# Altium PCB base-32-bit.PcbDoc (part 2 of 3)
Units mm, origin at the board's own origin, x right, y up, seen from the top; angles counter-clockwise.
Board outline 35.56 x 44.45 mm, 4 copper layers (Top Layer, GND, PWR, Bottom Layer), stack 0.603 mm thick; 71 components, 133 nets, 539 pads, 361 vias.
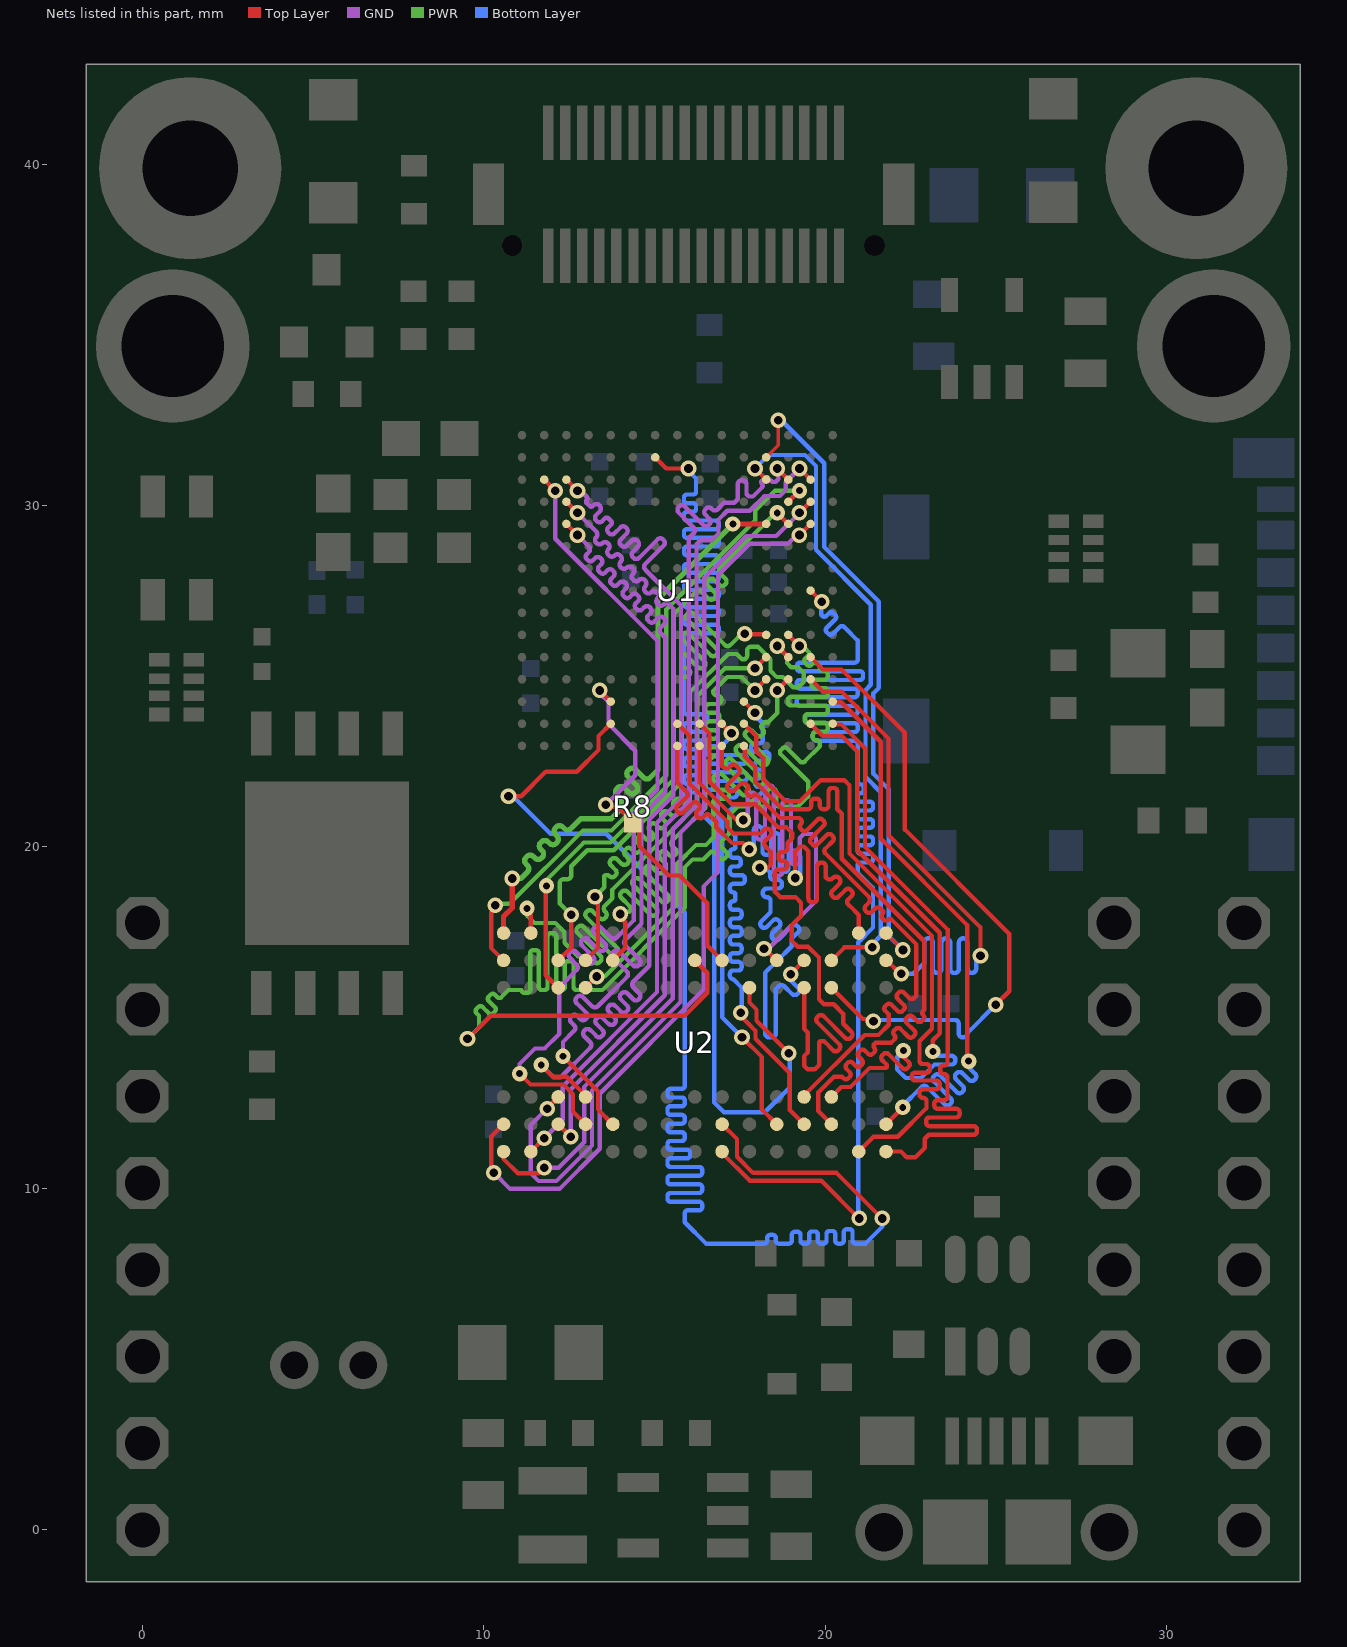
[diagram p4: the nets of this part, all layers, seen from the top]

## Via types
v1: diameter 0.457, hole 0.254, Top Layer to Bottom Layer, tented both sides, 295 vias
v2: diameter 0.457, hole 0.254, Top Layer to Bottom Layer, 36 vias
v3: diameter 0.457/0.457/0.457/0.457 (per signal layer), hole 0.254, Top Layer to Bottom Layer, tented both sides, 16 vias
v4: diameter 0.45, hole 0.203, Top Layer to Bottom Layer, tented both sides, 14 vias

## Nets (pads, with @x,y where several pads share a name; then routed paths per layer and width w, separated by ;. In a path a pad name is that pad's centre, name@x,y a point inside that pad or via, vN(x,y) a via of type N, cw(c..) or ccw(c..) an arc to the next point about the centre after c; other vN are vias at no path point) (continued)
DRAM_BA1: U1.K13 U2.H8 | length 44.8
  Top Layer w0.127: v1(9.518,14.38) 10.196,15.058 15.868,15.058 16.539,15.729 16.539,16.315 U2.H8@16.174,16.68 ; U1.K13@18.913,26.21 v1(19.238,25.885)
  PWR w0.127: v1(9.518,14.38) 9.855,14.717 9.855,15.059 9.78,15.134 cw(c9.842,15.197) 9.78,15.26 9.833,15.314 cw(c9.896,15.251) 9.959,15.314 10.143,15.13 ccw(c10.206,15.193) 10.268,15.13 10.322,15.184 ccw(c10.259,15.247) 10.322,15.31 10.139,15.493 cw(c10.202,15.556) 10.139,15.619 10.193,15.673 cw(c10.256,15.61) 10.318,15.673 10.386,15.605 ccw(c10.449,15.668) 10.512,15.605 10.719,15.811 11.1,15.811 ccw(c11.183,15.811) 11.183,15.728 11.27,15.728 ccw(c11.27,15.811) 11.354,15.811 11.354,16.891 cw(c11.443,16.891) 11.443,16.98 11.519,16.98 cw(c11.519,16.891) 11.608,16.891 11.608,15.9 ccw(c11.697,15.9) 11.697,15.811 11.773,15.811 ccw(c11.773,15.9) 11.862,15.9 11.862,17.387 cw(c11.951,17.387) 11.951,17.476 12.027,17.476 cw(c12.027,17.387) 12.116,17.387 12.116,15.9 ccw(c12.205,15.9) 12.205,15.811 12.281,15.811 ccw(c12.281,15.9) 12.37,15.9 12.37,16.569 cw(c12.459,16.569) 12.459,16.658 12.535,16.658 cw(c12.535,16.569) 12.624,16.569 12.624,15.9 ccw(c12.713,15.9) 12.713,15.811 13.468,15.811 15.875,18.219 15.875,19.4 16.109,19.634 16.421,19.634 16.628,19.841 cw(c16.691,19.778) 16.753,19.841 16.927,19.667 ccw(c16.99,19.73) 17.052,19.667 17.106,19.721 ccw(c17.043,19.784) 17.106,19.847 16.933,20.02 cw(c16.996,20.083) 16.933,20.146 17.183,20.396 17.183,20.934 17.433,21.184 17.709,21.184 ccw(c17.709,21.268) 17.793,21.268 cw(c17.882,21.268) 17.882,21.357 17.958,21.357 cw(c17.958,21.268) 18.047,21.268 ccw(c18.131,21.268) 18.131,21.184 18.212,21.184 ccw(c18.212,21.273) 18.301,21.273 18.301,21.615 cw(c18.39,21.615) 18.39,21.704 18.466,21.704 cw(c18.466,21.615) 18.555,21.615 18.555,21.273 ccw(c18.644,21.273) 18.644,21.184 19.19,21.184 19.482,21.476 19.494,21.476 19.494,21.911 18.694,22.712 cw(c18.757,22.774) 18.694,22.837 18.748,22.891 cw(c18.811,22.828) 18.874,22.891 19.264,22.501 ccw(c19.327,22.564) 19.39,22.501 19.837,22.949 19.837,23.038 ccw(c19.748,23.038) 19.748,23.127 19.721,23.127 cw(c19.721,23.216) 19.632,23.216 19.632,23.292 cw(c19.721,23.292) 19.721,23.381 19.977,23.381 ccw(c19.977,23.47) 20.066,23.47 20.066,23.546 ccw(c19.977,23.546) 19.977,23.635 19.482,23.635 cw(c19.482,23.724) 19.393,23.724 19.393,23.8 cw(c19.482,23.8) 19.482,23.889 19.977,23.889 ccw(c19.977,23.978) 20.066,23.978 20.066,24.054 ccw(c19.977,24.054) 19.977,24.143 18.994,24.143 cw(c18.994,24.232) 18.905,24.232 18.905,24.308 cw(c18.994,24.308) 18.994,24.397 19.977,24.397 ccw(c19.977,24.486) 20.066,24.486 20.066,24.562 ccw(c19.977,24.562) 19.977,24.651 19.685,24.651 cw(c19.685,24.74) 19.596,24.74 19.596,24.816 cw(c19.685,24.816) 19.685,24.905 19.977,24.905 ccw(c19.977,24.994) 20.066,24.994 20.066,25.07 ccw(c19.977,25.07) 19.977,25.159 19.926,25.159 cw(c19.926,25.248) 19.837,25.248 19.837,25.286 19.75,25.373 ccw(c19.687,25.31) 19.624,25.373 19.586,25.335 cw(c19.523,25.398) 19.46,25.335 19.407,25.389 cw(c19.469,25.452) 19.407,25.514 19.508,25.616 ccw(c19.461,25.662) 19.508,25.709 19.421,25.795 ccw(c19.375,25.749) 19.328,25.795 v1(19.238,25.885)
DRAM_CAS: U1.B7 U2.K7 | length 44.5
  Top Layer w0.127: U1.B7@15.013,31.41 15.338,31.085 v1(15.988,31.085) ; U2.K7@17.774,15.88 17.774,15.444 17.98,15.237 17.98,14.909 v1(18.929,13.961)
  Bottom Layer w0.127: v1(15.988,31.085) 15.988,31.014 16.211,30.791 16.211,30.411 cw(c16.122,30.411) 16.122,30.322 15.944,30.322 ccw(c15.944,30.233) 15.855,30.233 15.855,30.157 ccw(c15.944,30.157) 15.944,30.068 16.122,30.068 cw(c16.122,29.979) 16.211,29.979 16.211,29.903 cw(c16.122,29.903) 16.122,29.814 15.944,29.814 ccw(c15.944,29.725) 15.855,29.725 15.855,29.649 ccw(c15.944,29.649) 15.944,29.56 16.782,29.56 cw(c16.782,29.471) 16.871,29.471 16.871,29.395 cw(c16.782,29.395) 16.782,29.306 15.944,29.306 ccw(c15.944,29.217) 15.855,29.217 15.855,29.141 ccw(c15.944,29.141) 15.944,29.052 16.782,29.052 cw(c16.782,28.963) 16.871,28.963 16.871,28.887 cw(c16.782,28.887) 16.782,28.798 15.944,28.798 ccw(c15.944,28.709) 15.855,28.709 15.855,28.633 ccw(c15.944,28.633) 15.944,28.544 16.782,28.544 cw(c16.782,28.455) 16.871,28.455 16.871,28.379 cw(c16.782,28.379) 16.782,28.29 15.944,28.29 ccw(c15.944,28.201) 15.855,28.201 15.855,28.125 ccw(c15.944,28.125) 15.944,28.036 16.782,28.036 cw(c16.782,27.947) 16.871,27.947 16.871,27.871 cw(c16.782,27.871) 16.782,27.782 15.944,27.782 ccw(c15.944,27.693) 15.855,27.693 15.855,27.617 ccw(c15.944,27.617) 15.944,27.528 16.782,27.528 cw(c16.782,27.439) 16.871,27.439 16.871,27.363 cw(c16.782,27.363) 16.782,27.274 15.944,27.274 ccw(c15.944,27.185) 15.855,27.185 15.855,27.109 ccw(c15.944,27.109) 15.944,27.02 16.782,27.02 cw(c16.782,26.931) 16.871,26.931 16.871,26.855 cw(c16.782,26.855) 16.782,26.766 15.944,26.766 ccw(c15.944,26.677) 15.855,26.677 15.855,26.601 ccw(c15.944,26.601) 15.944,26.512 16.782,26.512 cw(c16.782,26.423) 16.871,26.423 16.871,26.347 cw(c16.782,26.347) 16.782,26.258 15.944,26.258 ccw(c15.944,26.169) 15.855,26.169 15.855,23.972 ccw(c15.944,23.972) 15.944,23.883 16.456,23.883 cw(c16.456,23.794) 16.545,23.794 16.545,23.718 cw(c16.456,23.718) 16.456,23.629 15.944,23.629 ccw(c15.944,23.54) 15.855,23.54 15.855,23.464 ccw(c15.944,23.464) 15.944,23.375 16.363,23.375 cw(c16.363,23.286) 16.452,23.286 16.452,23.21 cw(c16.363,23.21) 16.363,23.121 15.944,23.121 ccw(c15.944,23.032) 15.855,23.032 15.855,22.956 ccw(c15.944,22.956) 15.944,22.867 16.167,22.867 cw(c16.167,22.778) 16.256,22.778 16.256,22.702 cw(c16.167,22.702) 16.167,22.613 15.944,22.613 ccw(c15.944,22.524) 15.855,22.524 15.855,22.448 ccw(c15.944,22.448) 15.944,22.359 16.167,22.359 cw(c16.167,22.27) 16.256,22.27 16.256,22.194 cw(c16.167,22.194) 16.167,22.105 15.944,22.105 ccw(c15.944,22.016) 15.855,22.016 15.855,21.94 ccw(c15.944,21.94) 15.944,21.851 16.167,21.851 cw(c16.167,21.762) 16.256,21.762 16.256,21.686 cw(c16.167,21.686) 16.167,21.597 15.944,21.597 ccw(c15.944,21.508) 15.855,21.508 15.855,21.495 16.745,20.606 16.745,12.516 17.031,12.23 18.225,12.23 18.954,12.96 18.954,13.935 v1(18.929,13.961) v1@18.842,13.961
DRAM_CLK: U1.H14 U2.J1 | length 44.5
  Top Layer w0.127: U2.J1@16.974,11.08 16.974,11.04 17.787,10.227 19.881,10.227 v1(20.986,9.122) ; U1.H14@19.563,27.51 v1(19.888,27.185)
  Bottom Layer w0.127: v1(19.888,27.185) 19.901,27.172 19.875,27.147 19.875,26.797 19.902,26.77 ccw(c19.965,26.833) 20.028,26.77 20.107,26.849 cw(c20.17,26.786) 20.233,26.849 20.287,26.795 cw(c20.224,26.733) 20.287,26.67 20.036,26.419 ccw(c20.099,26.356) 20.036,26.293 20.09,26.24 ccw(c20.153,26.302) 20.216,26.24 20.421,26.445 cw(c20.484,26.382) 20.547,26.445 20.601,26.391 20.942,26.05 20.942,25.489 cw(c20.853,25.489) 20.853,25.4 19.253,25.4 ccw(c19.253,25.311) 19.164,25.311 19.164,25.235 ccw(c19.253,25.235) 19.253,25.146 21.012,25.146 cw(c21.012,25.057) 21.1,25.057 21.1,24.981 cw(c21.012,24.981) 21.012,24.892 19.253,24.892 ccw(c19.253,24.803) 19.164,24.803 19.164,24.727 ccw(c19.253,24.727) 19.253,24.638 20.853,24.638 cw(c20.853,24.549) 20.942,24.549 20.942,24.473 cw(c20.853,24.473) 20.853,24.384 19.253,24.384 ccw(c19.253,24.295) 19.164,24.295 19.164,24.219 ccw(c19.253,24.219) 19.253,24.13 20.853,24.13 cw(c20.853,24.041) 20.942,24.041 20.942,23.965 cw(c20.853,23.965) 20.853,23.876 19.495,23.876 ccw(c19.495,23.787) 19.406,23.787 19.406,23.711 ccw(c19.495,23.711) 19.495,23.622 20.853,23.622 cw(c20.853,23.533) 20.942,23.533 20.942,23.457 cw(c20.853,23.457) 20.853,23.368 19.721,23.368 ccw(c19.721,23.279) 19.632,23.279 19.632,23.203 ccw(c19.721,23.203) 19.721,23.114 20.853,23.114 cw(c20.853,23.025) 20.942,23.025 20.942,21.921 ccw(c21.031,21.921) 21.031,21.832 21.032,21.832 cw(c21.032,21.744) 21.121,21.744 21.121,21.667 cw(c21.032,21.667) 21.032,21.578 21.031,21.578 ccw(c21.031,21.49) 20.942,21.49 20.942,21.413 ccw(c21.031,21.413) 21.031,21.324 21.304,21.324 cw(c21.304,21.236) 21.393,21.236 21.393,21.159 cw(c21.304,21.159) 21.304,21.07 21.031,21.07 ccw(c21.031,20.982) 20.942,20.982 20.942,20.905 ccw(c21.031,20.905) 21.031,20.816 21.304,20.816 cw(c21.304,20.728) 21.393,20.728 21.393,20.651 cw(c21.304,20.651) 21.304,20.562 21.031,20.562 ccw(c21.031,20.474) 20.942,20.474 20.942,20.397 ccw(c21.031,20.397) 21.031,20.308 21.304,20.308 cw(c21.304,20.22) 21.393,20.22 21.393,20.143 cw(c21.304,20.143) 21.304,20.054 21.031,20.054 ccw(c21.031,19.966) 20.942,19.966 20.942,19.889 ccw(c21.031,19.889) 21.031,19.8 21.304,19.8 cw(c21.304,19.712) 21.393,19.712 21.393,19.635 cw(c21.304,19.635) 21.304,19.546 21.031,19.546 ccw(c21.031,19.458) 20.942,19.458 20.942,19.253 21.393,18.803 21.393,17.642 20.961,17.21 20.961,9.148 v1(20.986,9.122)
DRAM_CLKE: U1.P5 U2.J2 | length 44.4
  Top Layer w0.127: v1(10.719,21.488) 11.089,21.488 11.804,22.203 12.717,22.203 13.353,22.84 13.353,23.25 U1.P5@13.713,23.61 ; U2.J2@16.974,11.88 17.409,11.445 17.409,10.929 17.882,10.456 20.326,10.456 v1(21.659,9.122)
  Bottom Layer w0.127: v1(10.719,21.488) 10.846,21.488 11.947,20.387 13.584,20.387 15.881,18.09 15.881,13.005 cw(c15.792,13.005) 15.792,12.916 15.462,12.916 ccw(c15.462,12.827) 15.373,12.827 15.373,12.751 ccw(c15.462,12.751) 15.462,12.662 15.792,12.662 cw(c15.792,12.573) 15.881,12.573 15.881,12.497 cw(c15.792,12.497) 15.792,12.408 15.462,12.408 ccw(c15.462,12.319) 15.373,12.319 15.373,12.243 ccw(c15.462,12.243) 15.462,12.154 15.792,12.154 cw(c15.792,12.065) 15.881,12.065 15.881,11.989 cw(c15.792,11.989) 15.792,11.9 15.462,11.9 ccw(c15.462,11.811) 15.373,11.811 15.373,11.735 ccw(c15.462,11.735) 15.462,11.646 15.792,11.646 cw(c15.792,11.557) 15.881,11.557 15.881,11.481 cw(c15.792,11.481) 15.792,11.392 15.462,11.392 ccw(c15.462,11.303) 15.373,11.303 15.373,11.227 ccw(c15.462,11.227) 15.462,11.138 15.945,11.138 cw(c15.945,11.049) 16.034,11.049 16.034,10.973 cw(c15.945,10.973) 15.945,10.884 15.462,10.884 ccw(c15.462,10.795) 15.373,10.795 15.373,10.719 ccw(c15.462,10.719) 15.462,10.63 16.3,10.63 cw(c16.3,10.541) 16.389,10.541 16.389,10.465 cw(c16.3,10.465) 16.3,10.376 15.462,10.376 ccw(c15.462,10.287) 15.373,10.287 15.373,10.211 ccw(c15.462,10.211) 15.462,10.122 16.3,10.122 cw(c16.3,10.033) 16.389,10.033 16.389,9.957 cw(c16.3,9.957) 16.3,9.868 15.462,9.868 ccw(c15.462,9.779) 15.373,9.779 15.373,9.703 ccw(c15.462,9.703) 15.462,9.614 16.3,9.614 cw(c16.3,9.525) 16.389,9.525 16.389,9.449 cw(c16.3,9.449) 16.3,9.36 15.97,9.36 ccw(c15.97,9.271) 15.881,9.271 15.881,9.01 16.505,8.386 18.203,8.386 ccw(c18.203,8.474) 18.292,8.474 18.292,8.551 cw(c18.38,8.551) 18.38,8.64 18.457,8.64 cw(c18.457,8.551) 18.546,8.551 18.546,8.474 ccw(c18.634,8.474) 18.634,8.386 18.927,8.386 ccw(c18.927,8.474) 19.015,8.474 19.015,8.639 cw(c19.104,8.639) 19.104,8.728 19.181,8.728 cw(c19.181,8.639) 19.269,8.639 19.269,8.474 ccw(c19.358,8.474) 19.358,8.386 19.435,8.386 ccw(c19.435,8.474) 19.523,8.474 19.523,8.652 cw(c19.612,8.652) 19.612,8.741 19.689,8.741 cw(c19.689,8.652) 19.777,8.652 19.777,8.474 ccw(c19.866,8.474) 19.866,8.386 19.943,8.386 ccw(c19.943,8.474) 20.031,8.474 20.031,8.665 cw(c20.12,8.665) 20.12,8.754 20.197,8.754 cw(c20.197,8.665) 20.285,8.665 20.285,8.474 ccw(c20.374,8.474) 20.374,8.386 20.451,8.386 ccw(c20.451,8.474) 20.539,8.474 20.539,8.721 cw(c20.628,8.721) 20.628,8.81 20.705,8.81 cw(c20.705,8.721) 20.793,8.721 20.793,8.474 ccw(c20.882,8.474) 20.882,8.386 21.171,8.386 21.659,8.874 v1(21.659,9.122)
DRAM_CS: R8.2 U1.N5 U2.J8 | length 10.9
  Top Layer w0.127: v1(13.388,24.585) U1.N5@13.713,24.26 ; v1(13.569,21.238) 13.633,21.175 13.912,21.175 14.357,20.73 R8.2@14.357,20.704 14.547,20.514 14.547,20.027 15.409,19.164 15.732,19.164 16.539,18.358 16.539,17.115 U2.J8@16.974,16.68
  GND w0.127: v1(13.388,24.585) 13.388,24.505 13.644,24.248 13.644,23.608 14.432,22.821 14.432,22.1 v1(13.569,21.238)
DRAM_D0: U1.M14 U2.R8 | length 19.1
  Top Layer w0.127: U1.M14@19.563,24.91 19.923,24.55 20.473,24.55 21.846,23.177 21.846,20.342 24.542,17.646 v1(24.542,16.818) ; U2.R8@21.774,16.68 21.798,16.68 22.194,16.285 v1(22.218,16.285)
  Bottom Layer w0.127: v1@22.219,16.285 22.572,16.285 22.891,16.605 22.891,17.199 cw(c23.018,17.199) 23.018,17.326 cw(c23.018,17.199) 23.145,17.199 23.145,16.437 ccw(c23.272,16.437) 23.272,16.31 ccw(c23.272,16.437) 23.399,16.437 23.399,17.199 cw(c23.526,17.199) 23.526,17.326 cw(c23.526,17.199) 23.653,17.199 23.653,16.437 ccw(c23.78,16.437) 23.78,16.31 ccw(c23.78,16.437) 23.907,16.437 23.907,17.199 cw(c24.034,17.199) 24.034,17.326 cw(c24.034,17.199) 24.161,17.199 24.161,16.437 ccw(c24.288,16.437) 24.288,16.31 ccw(c24.288,16.437) 24.415,16.437 24.415,16.691 cw(c24.542,16.691) v1(24.542,16.818)
DRAM_D1: U1.L14 U2.N7 | length 19.2
  Top Layer w0.127: U1.L14@19.563,25.56 19.923,25.2 20.47,25.2 22.327,23.343 22.327,20.508 25.38,17.454 25.38,15.777 v1(24.987,15.383) ; U2.N7@20.122,15.828 U2.N7@20.174,15.88 21.09,14.964 21.342,14.964 v1(21.405,14.901)
  Bottom Layer w0.127: v1(21.405,14.901) 21.44,14.935 23.789,14.935 cw(c23.789,14.821) 23.904,14.821 23.904,14.541 ccw(c24.018,14.541) 24.018,14.427 24.043,14.427 ccw(c24.043,14.541) 24.158,14.541 24.158,14.554 v1(24.987,15.383)
DRAM_D2: U1.B12 U2.R9 | length 19.2
  Top Layer w0.102: U1.B12@18.263,31.41 18.618,31.765 v1(18.618,32.499) ; U2.R9@21.774,17.48 v1@22.269,16.984
  Bottom Layer w0.127: v1(18.618,32.499) 18.704,32.499 19.964,31.239 19.964,28.784 21.565,27.184 21.565,24.663 21.399,24.498 21.399,22.149 21.85,21.699 21.85,17.403 v1(22.269,16.983)
DRAM_D3: U1.C12 U2.N8 | length 19
  Top Layer w0.127: v1(17.938,31.085) U1.C12@18.263,30.76 ; U2.N8@20.174,16.68 20.554,17.06 v1(21.367,17.06)
  Bottom Layer w0.127: v1(17.938,31.085) 18.332,31.479 19.401,31.479 19.723,31.157 19.723,28.702 21.329,27.096 21.329,24.751 21.171,24.593 21.171,22.054 21.621,21.604 21.621,17.398 21.367,17.144 v1(21.367,17.06)
DRAM_D4: U1.R8 U2.P9 | length 19.4
  Top Layer w0.127: U1.R8@15.663,22.96 15.663,21.879 15.941,21.601 cw(c15.877,21.537) 15.941,21.473 15.672,21.204 ccw(c15.762,21.114) 15.672,21.024 ccw(c15.762,21.114) 15.851,21.024 16.121,21.293 cw(c16.185,21.229) 16.249,21.293 16.3,21.242 cw(c16.236,21.178) 16.3,21.114 16.248,21.061 ccw(c16.337,20.971) 16.248,20.881 ccw(c16.337,20.971) 16.427,20.881 16.48,20.934 cw(c16.544,20.87) 16.608,20.934 16.802,20.74 16.802,20.581 17.266,20.117 17.586,20.117 v1(17.773,19.93) v1@17.612,19.93 ; v1@19.246,19.206 cw(c19.132,19.206) 19.132,19.092 v1(19.119,19.092) 19.119,19.875 19.257,20.013 19.362,20.013 19.5,19.875 19.5,18.496 ccw(c19.615,18.496) 19.615,18.382 19.64,18.382 ccw(c19.64,18.496) 19.754,18.496 19.754,19.43 cw(c19.869,19.43) 19.869,19.544 19.894,19.544 cw(c19.894,19.43) 20.008,19.43 20.008,19.12 ccw(c20.037,19.12) 20.037,19.092 20.046,19.083 ccw(c20.127,19.163) 20.208,19.083 20.225,19.1 cw(c20.305,19.019) 20.386,19.1 20.404,19.082 cw(c20.323,19.001) 20.404,18.92 20.205,18.72 ccw(c20.286,18.64) 20.205,18.559 20.223,18.541 ccw(c20.304,18.622) 20.384,18.541 20.584,18.74 cw(c20.665,18.659) 20.745,18.74 20.763,18.722 cw(c20.683,18.642) 20.763,18.561 20.666,18.463 ccw(c20.738,18.39) 20.666,18.318 20.7,18.283 20.974,18.01 U2.P9@20.974,17.48
  Bottom Layer w0.127: v1(17.773,19.93) 17.786,19.93 ccw(c17.786,20.044) 17.9,20.044 17.9,20.49 cw(c18.014,20.49) 18.014,20.604 18.04,20.604 cw(c18.04,20.49) 18.154,20.49 18.154,19.883 ccw(c18.268,19.883) 18.268,19.768 18.294,19.768 ccw(c18.294,19.883) 18.408,19.883 18.408,20.288 cw(c18.522,20.288) 18.522,20.402 18.548,20.402 cw(c18.548,20.288) 18.662,20.288 18.662,19.38 ccw(c18.776,19.38) 18.776,19.266 18.802,19.266 ccw(c18.802,19.38) 18.916,19.38 18.916,19.816 18.99,19.89 19.096,19.89 19.266,19.72 19.266,19.238 v1(19.119,19.092)
DRAM_D5: U1.P8 U2.M8 | length 19.1
  Top Layer w0.127: U1.P8@15.663,23.61 16.023,23.25 16.023,21.842 17.12,20.746 17.12,20.587 17.31,20.396 18.094,20.396 18.202,20.505 cw(c18.283,20.424) 18.364,20.505 18.382,20.487 cw(c18.301,20.406) 18.382,20.325 18.239,20.182 ccw(c18.32,20.101) 18.239,20.021 18.402,19.857 18.402,19.482 18.317,19.396 v1(18.078,19.396) ; v1(18.981,16.275) 18.981,16.281 U2.M8@19.374,16.674
  Bottom Layer w0.127: v1(18.078,19.396) 18.236,19.396 18.377,19.256 18.377,19.152 ccw(c18.491,19.152) 18.491,19.037 18.611,19.037 cw(c18.611,18.923) 18.726,18.923 18.726,18.898 cw(c18.611,18.898) 18.611,18.783 18.281,18.783 ccw(c18.281,18.669) 18.167,18.669 18.167,18.644 ccw(c18.281,18.644) 18.281,18.529 cw(c18.281,18.418) 18.393,18.418 18.393,18.09 18.126,17.824 ccw(c18.205,17.745) 18.126,17.666 ccw(c18.205,17.745) 18.284,17.666 18.467,17.848 cw(c18.546,17.769) 18.625,17.848 18.646,17.827 cw(c18.567,17.748) 18.646,17.669 18.457,17.479 ccw(c18.537,17.398) 18.457,17.317 18.474,17.299 ccw(c18.555,17.38) 18.636,17.299 19.021,17.684 cw(c19.101,17.603) 19.182,17.684 19.2,17.666 cw(c19.119,17.585) 19.2,17.504 19.012,17.316 19.012,17.094 18.58,16.662 ; 18.58,16.675 18.58,16.662 ; v1(18.981,16.275) 18.972,16.266 ccw(c19.053,16.185) 18.972,16.104 19.2,15.876 cw(c19.119,15.796) 19.2,15.715 19.182,15.697 cw(c19.101,15.778) 19.02,15.697 18.792,15.925 ccw(c18.712,15.844) 18.631,15.925 18.548,15.842 18.548,14.502 18.473,14.427 18.306,14.427 18.232,14.502 18.232,16.314 18.58,16.662
DRAM_D6: U1.P9 U2.M7 | length 20.1
  Top Layer w0.127: U1.P9@16.313,23.61 16.603,23.32 16.603,21.909 17.261,21.251 17.942,21.251 18.618,20.574 18.861,20.574 19.025,20.411 19.025,20.256 18.891,20.123 18.891,19.964 cw(c18.776,19.964) 18.776,19.85 18.707,19.85 ccw(c18.707,19.774) 18.631,19.774 18.631,19.672 ccw(c18.707,19.672) 18.707,19.596 18.766,19.596 cw(c18.766,19.482) 18.88,19.482 18.88,19.456 cw(c18.766,19.456) 18.766,19.342 18.633,19.342 ccw(c18.633,19.228) 18.519,19.228 18.519,18.692 18.678,18.533 19.121,18.533 19.284,18.37 19.284,17.976 19.009,17.701 19.009,17.262 19.191,17.08 19.49,17.08 19.809,16.762 19.809,15.539 19.955,15.392 20.244,15.392 20.523,15.113 20.523,14.824 20.759,14.589 cw(c20.678,14.508) 20.759,14.427 20.741,14.41 cw(c20.66,14.49) 20.579,14.41 19.939,15.049 ; U2.M7@19.374,15.88 19.367,15.873 19.374,15.867 19.374,14.675 19.482,14.567 19.482,13.983 19.374,13.875 19.374,13.595 19.482,13.487 19.685,13.487 19.823,13.625 19.823,14.286 cw(c19.904,14.205) 19.984,14.286 20.22,14.05 ccw(c20.301,14.131) 20.381,14.05 20.399,14.068 ccw(c20.318,14.149) 20.399,14.23 19.766,14.864 cw(c19.847,14.944) 19.766,15.025 ; 19.784,15.043 cw(c19.864,14.962) 19.945,15.043
DRAM_D7: U1.R9 U2.L8 | length 20.1
  Top Layer w0.127: U1.R9@16.313,22.96 16.313,21.876 17.399,20.79 v1(17.596,20.79) ; v1@18.209,17.045 U2.L8@18.574,16.68
  GND w0.127: v1(17.596,20.79) 17.609,20.79 ccw(c17.609,20.904) v1@17.723,20.904 ; v1@17.723,20.968 17.723,21.473 ; 17.723,21.536 17.723,21.473 ; v1(18.199,17.018) 18.326,17.018 19.723,18.415 19.723,20.26 19.604,20.379 19.366,20.379 19.247,20.26 19.247,19.6 cw(c19.133,19.6) 19.133,19.485 19.107,19.485 cw(c19.107,19.6) 18.993,19.6 18.993,21.25 ccw(c18.879,21.25) 18.879,21.364 18.853,21.364 ccw(c18.853,21.25) 18.739,21.25 18.739,19.274 cw(c18.625,19.274) 18.625,19.159 18.599,19.159 cw(c18.599,19.274) 18.485,19.274 18.485,21.682 ccw(c18.371,21.682) 18.371,21.796 18.345,21.796 ccw(c18.345,21.682) 18.231,21.682 18.231,20.33 cw(c18.117,20.33) 18.117,20.216 18.091,20.216 cw(c18.091,20.33) 17.977,20.33 17.977,21.473 ccw(c17.863,21.473) 17.863,21.587 17.837,21.587 ccw(c17.837,21.473) 17.723,21.473
DRAM_D8: U1.P10 U2.L2 | length 19
  Top Layer w0.127: U1.P10@16.963,23.61 17.243,23.33 v1(17.247,23.33) ; v1(17.557,14.431) 18.139,13.849 18.139,12.315 U2.L2@18.574,11.88
  Bottom Layer w0.127: v1@17.247,23.225 v1@17.247,23.241 ; v1(17.247,23.33) v1@17.247,23.241 ; v1(17.557,14.431) 16.974,15.014 16.974,20.809 16.777,21.006 16.777,21.376 16.851,21.45 17.303,21.45 ccw(c17.303,21.565) 17.418,21.565 ccw(c17.303,21.565) 17.303,21.679 16.599,21.679 cw(c16.599,21.793) 16.485,21.793 16.485,21.819 cw(c16.599,21.819) 16.599,21.933 17.595,21.933 ccw(c17.595,22.047) 17.71,22.047 17.71,22.073 ccw(c17.595,22.073) 17.595,22.187 16.599,22.187 cw(c16.599,22.301) 16.485,22.301 16.485,22.327 cw(c16.599,22.327) 16.599,22.441 17.595,22.441 ccw(c17.595,22.555) 17.71,22.555 17.71,22.581 ccw(c17.595,22.581) 17.595,22.695 16.599,22.695 cw(c16.599,22.809) 16.485,22.809 16.485,22.835 cw(c16.599,22.835) 16.599,22.949 16.954,22.949 v1@17.247,23.241
DRAM_D9: U1.R10 U2.M3 | length 20.2
  Top Layer w0.127: U1.R10@16.963,22.96 16.963,22.379 17.042,22.3 17.147,22.3 17.223,22.377 cw(c17.304,22.296) 17.385,22.377 17.454,22.307 ; 17.436,22.325 17.454,22.307 ; U2.M3@19.374,12.68 19.374,12.72 21.149,14.494 21.556,14.494 21.854,14.793 21.854,15.098 21.755,15.197 cw(c21.827,15.269) 21.755,15.341 21.791,15.377 cw(c21.863,15.305) 21.934,15.377 22.115,15.197 ccw(c22.186,15.269) 22.258,15.197 22.294,15.233 ccw(c22.222,15.305) 22.294,15.376 22.112,15.558 cw(c22.184,15.63) 22.112,15.702 22.148,15.738 cw(c22.22,15.666) 22.292,15.738 22.453,15.577 ccw(c22.525,15.649) 22.597,15.577 22.663,15.642 22.663,17.146 21.93,17.879 ccw(c21.894,17.842) 21.857,17.879 cw(c21.776,17.959) 21.695,17.879 21.677,17.897 cw(c21.758,17.977) 21.677,18.058 ccw(c21.641,18.095) 21.677,18.132 21.615,18.194 ccw(c21.535,18.113) 21.454,18.194 21.364,18.104 cw(c21.283,18.185) 21.203,18.104 21.185,18.122 cw(c21.265,18.203) 21.185,18.284 21.274,18.373 ccw(c21.193,18.454) 21.274,18.535 19.999,19.81 cw(c20.071,19.882) 19.999,19.954 20.216,20.171 ccw(c20.144,20.243) 20.216,20.315 20.18,20.351 ccw(c20.108,20.279) 20.037,20.351 19.747,20.062 cw(c19.692,20.117) 19.637,20.062 19.568,20.131 cw(c19.623,20.186) 19.568,20.241 19.947,20.62 ccw(c19.875,20.692) 19.947,20.764 19.911,20.8 ccw(c19.839,20.728) 19.767,20.8 19.46,20.493 cw(c19.388,20.564) 19.316,20.493 19.278,20.531 cw(c19.347,20.6) 19.278,20.669 ccw(c19.206,20.741) 19.278,20.813 19.242,20.849 18.666,20.849 18.036,21.479 18.003,21.513 ccw(c17.951,21.461) 17.899,21.513 cw(c17.818,21.594) 17.738,21.513 17.72,21.531 cw(c17.8,21.611) 17.72,21.692 ccw(c17.668,21.744) 17.72,21.796 17.673,21.843 ccw(c17.592,21.762) 17.511,21.843 17.333,21.664 cw(c17.252,21.745) 17.171,21.664 17.153,21.682 cw(c17.234,21.763) 17.153,21.844 17.454,22.145 ccw(c17.373,22.226) 17.454,22.307